# Altium PCB VESC_6.4.1.PcbDoc
Units mil, origin at the board's own origin, x right, y up, seen from the top; angles counter-clockwise.
Board outline 3937.01 x 3937.01 mil, 4 copper layers (Top Layer, GND, power, Bottom Layer), stack 23.756 mil thick; 130 components, 94 nets, 539 pads, 111 vias.
Unrouted connection lines stored in the file: 385.
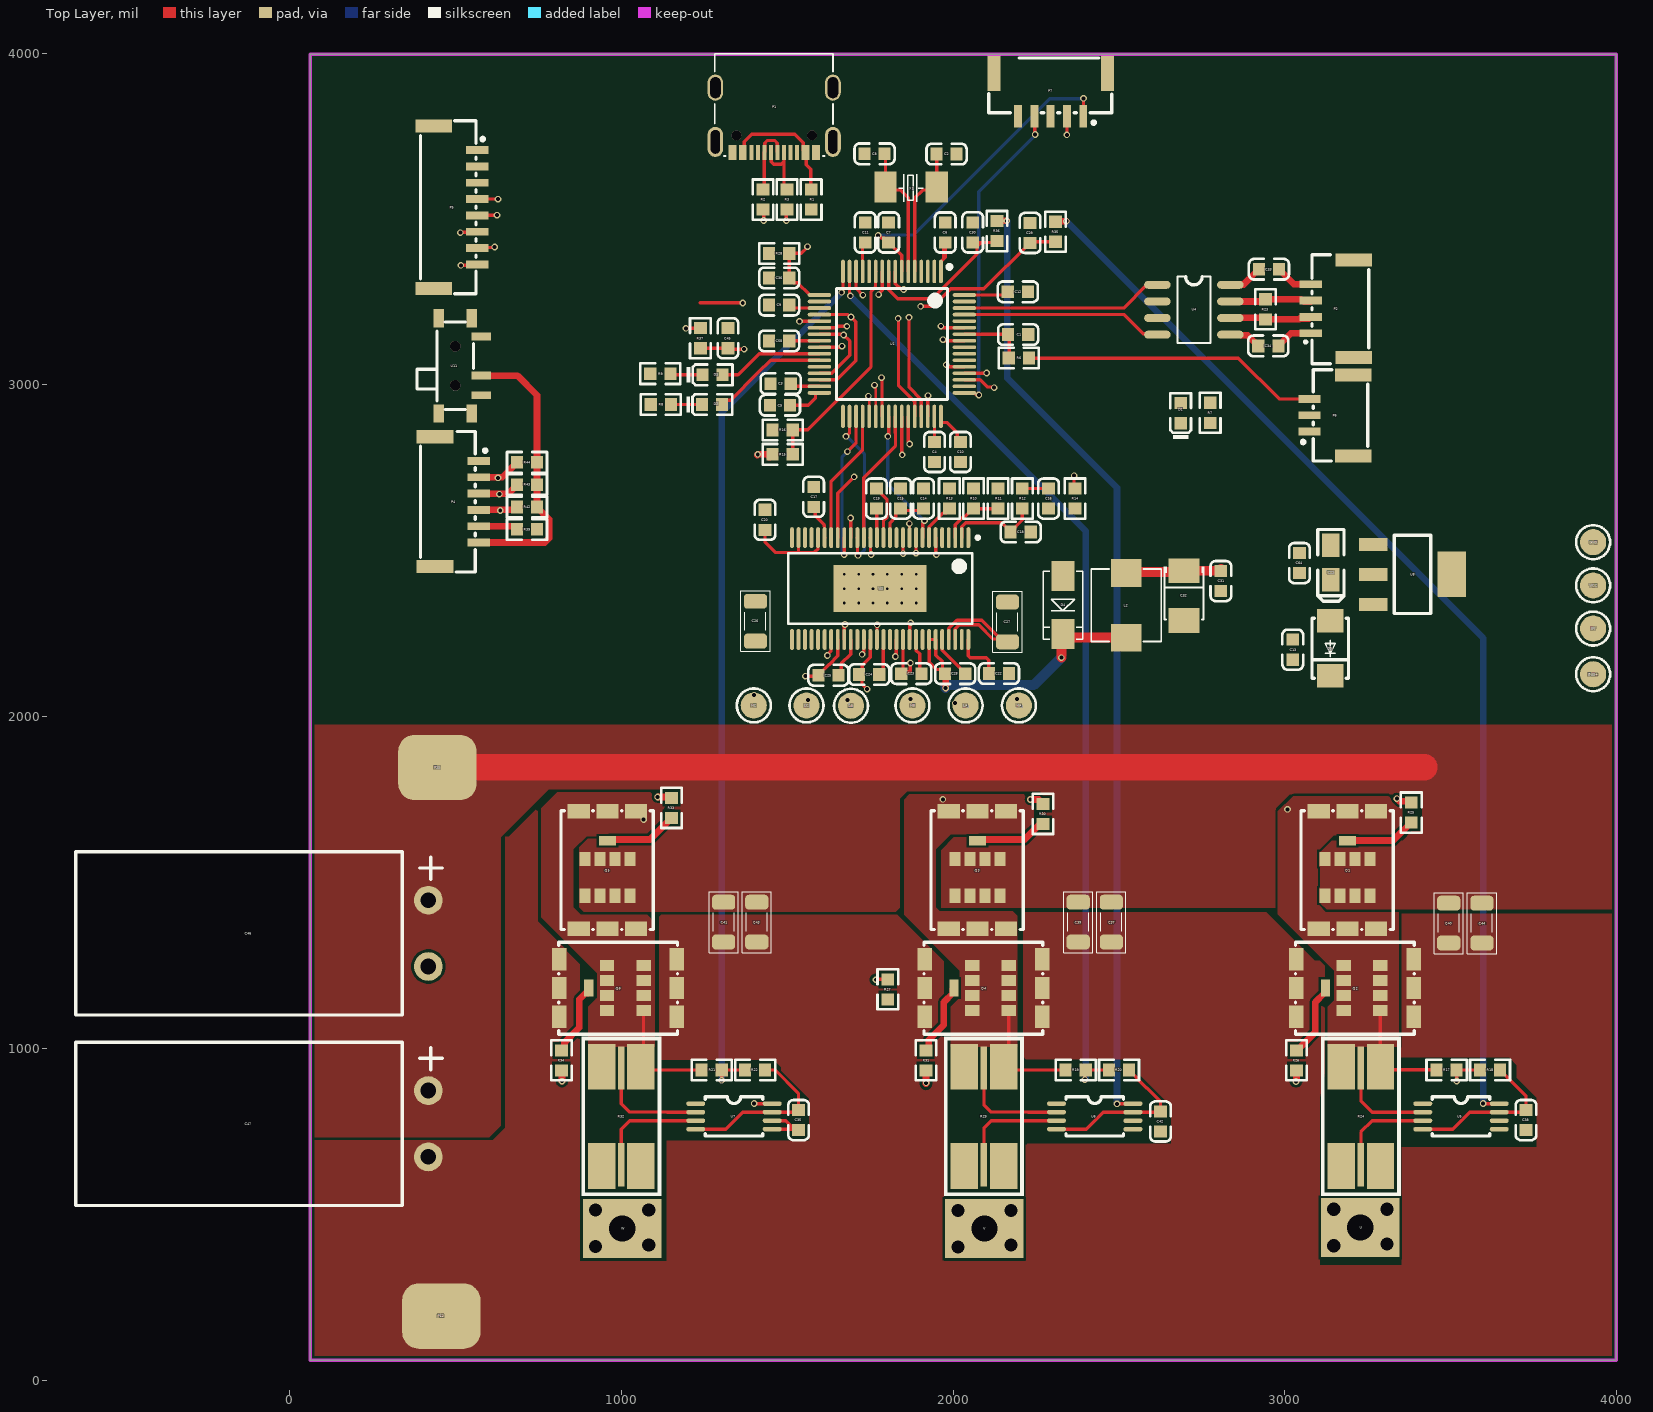
[diagram p0: Top Layer view]
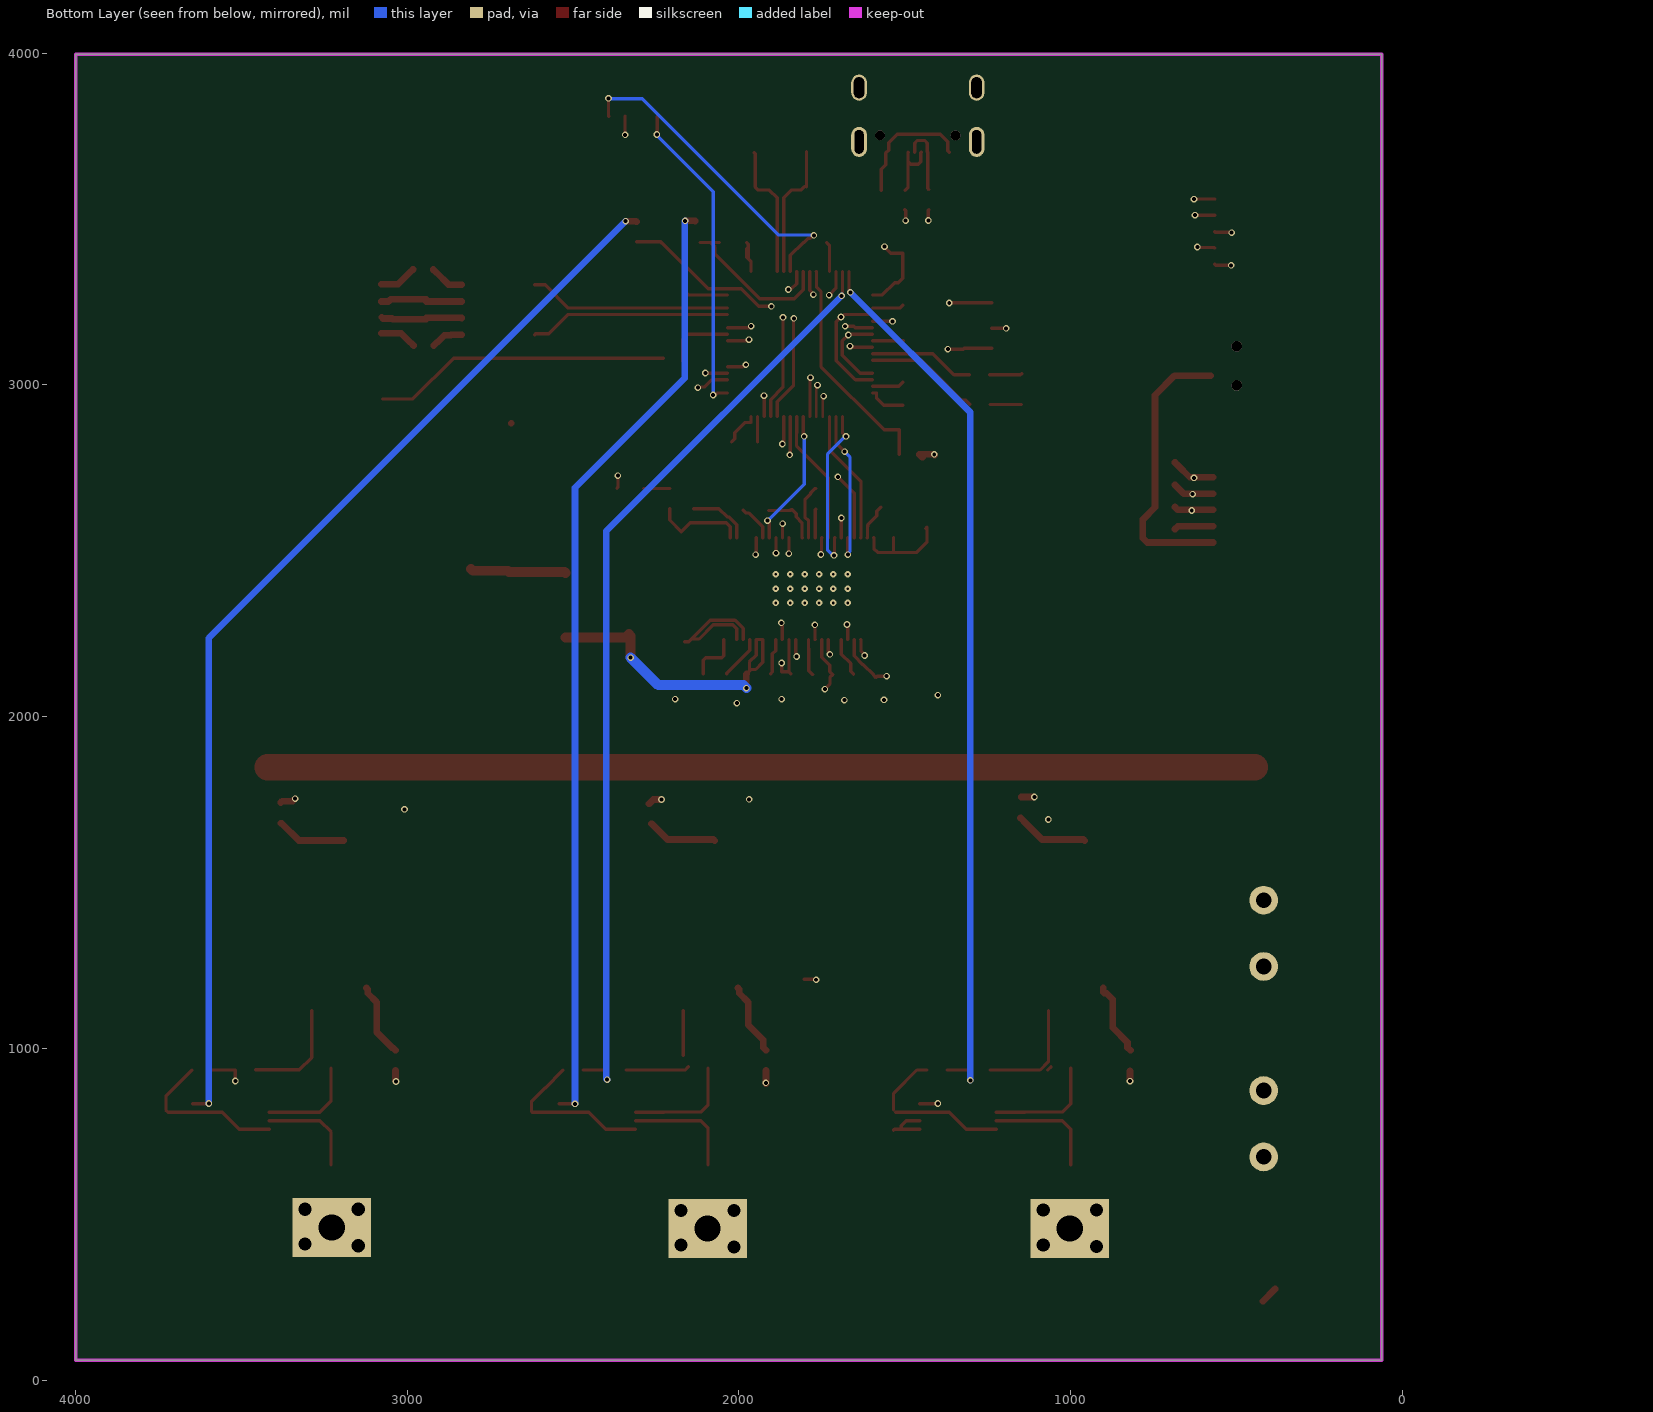
[diagram p1: Bottom Layer view, seen from below]
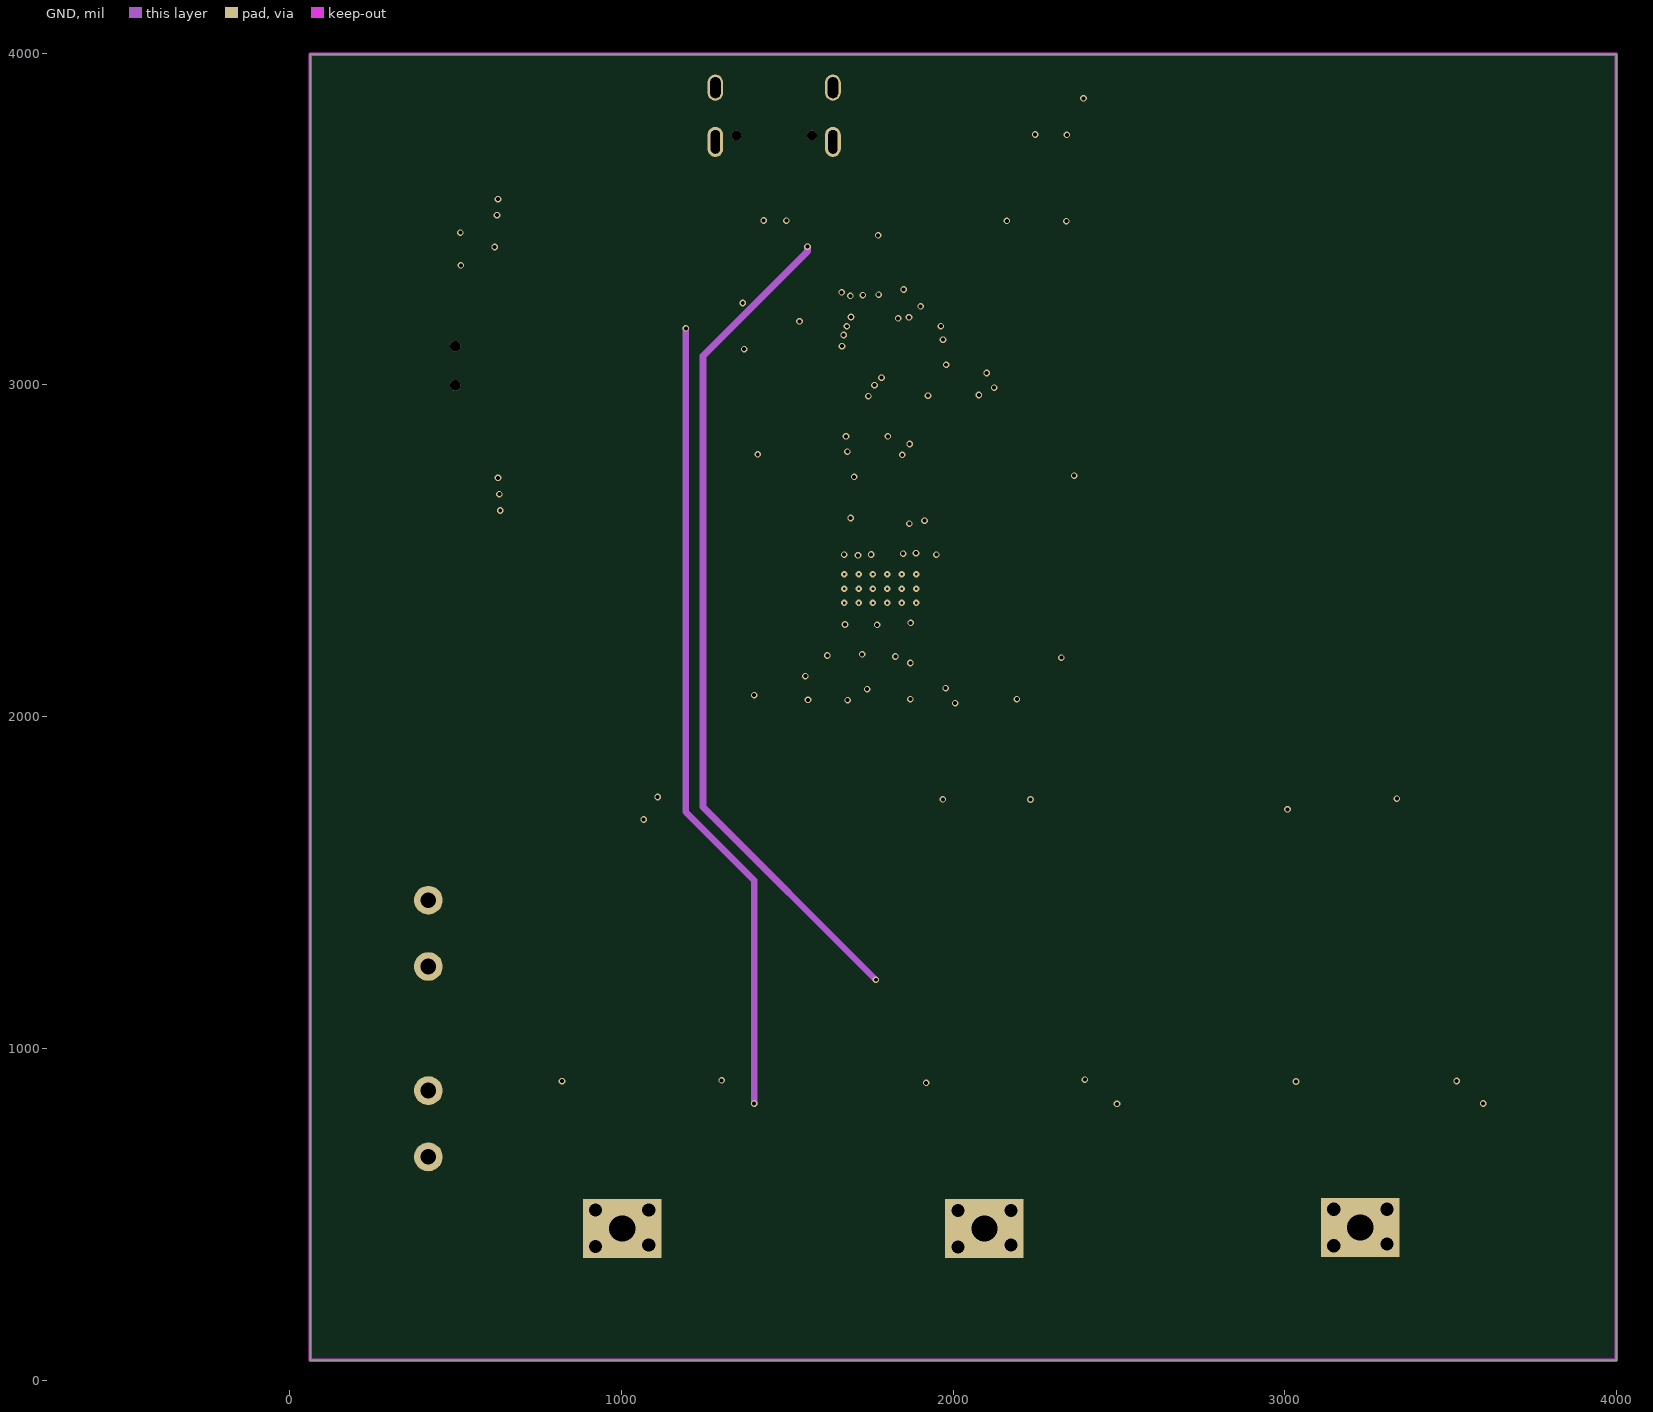
[diagram p2: GND]
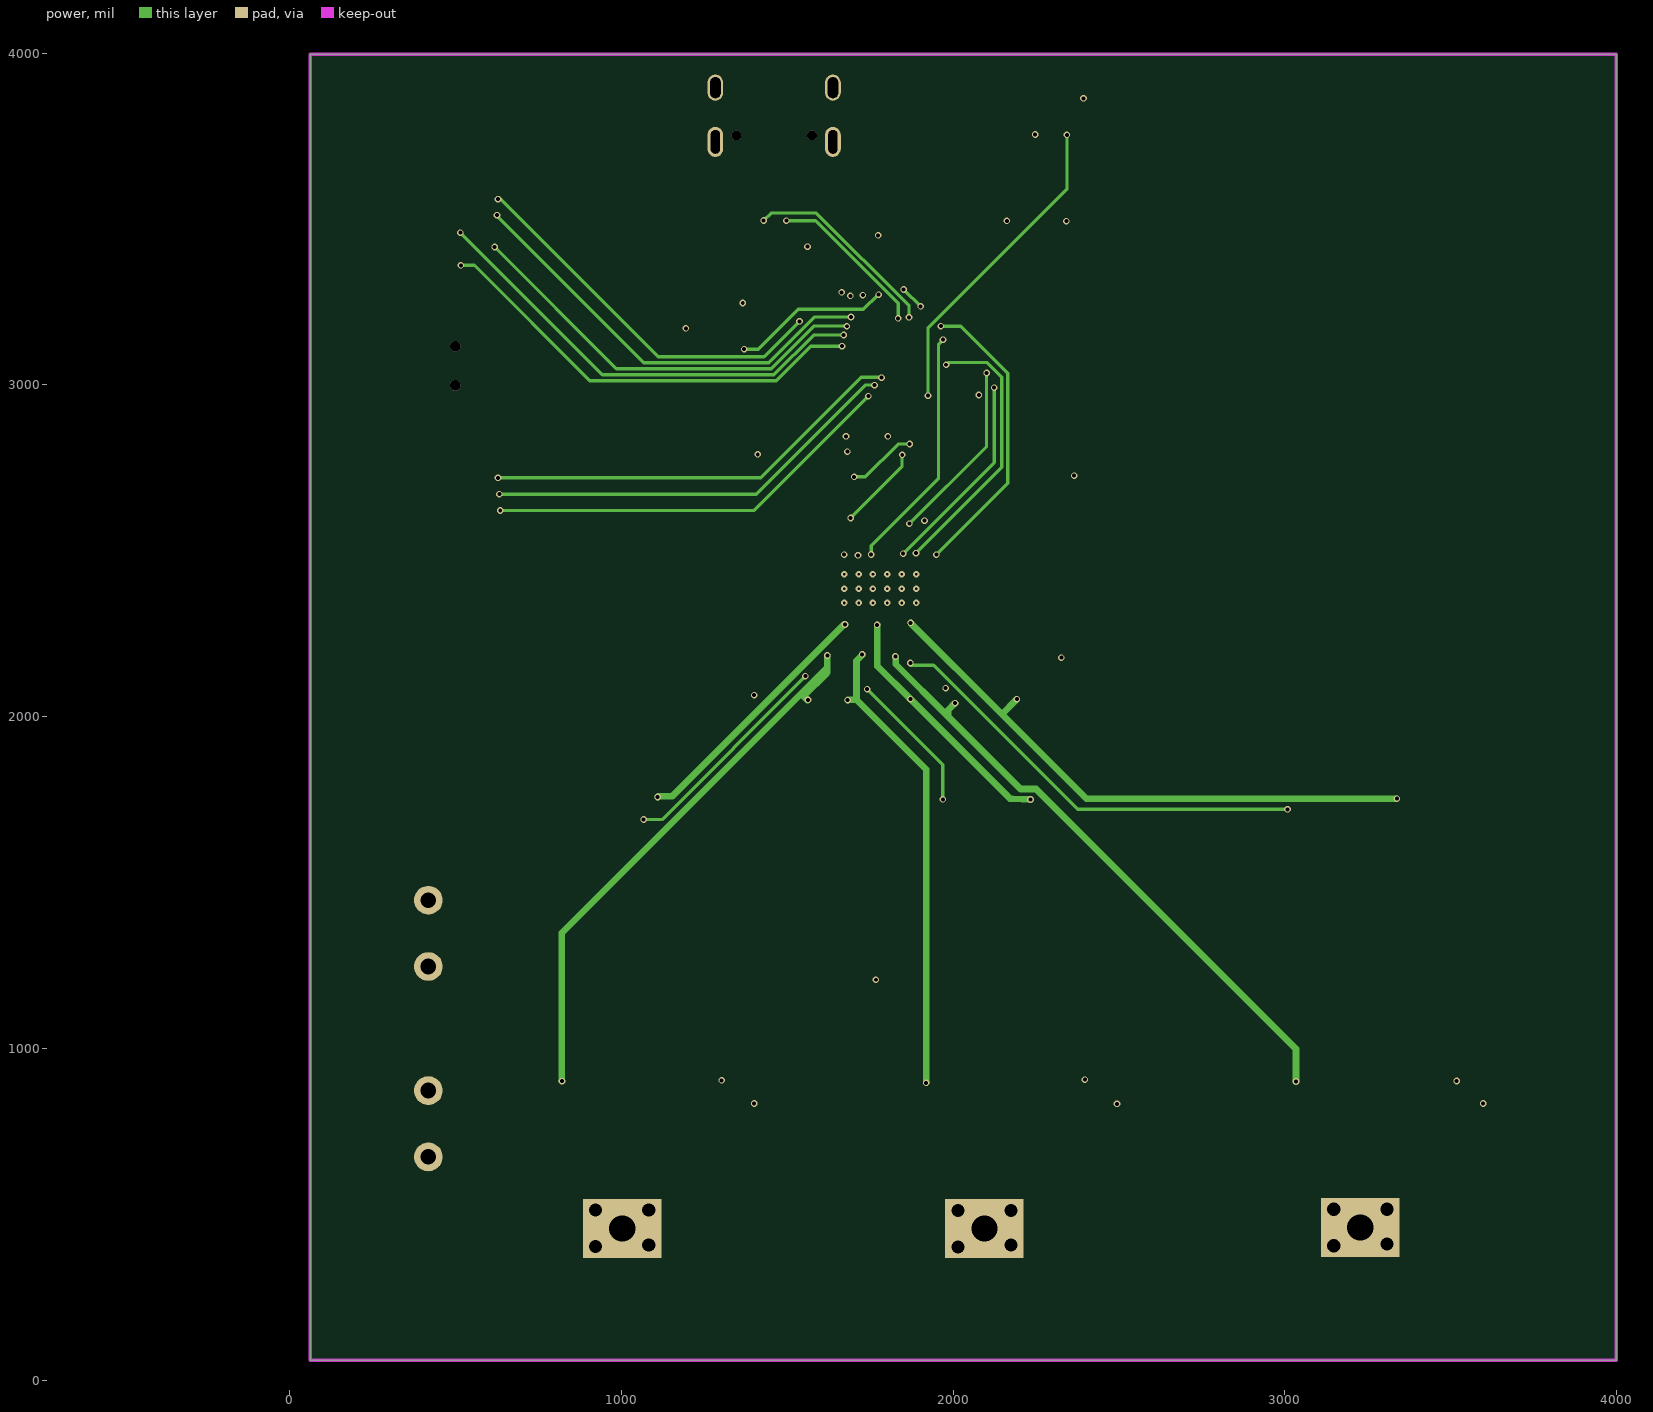
[diagram p3: power]
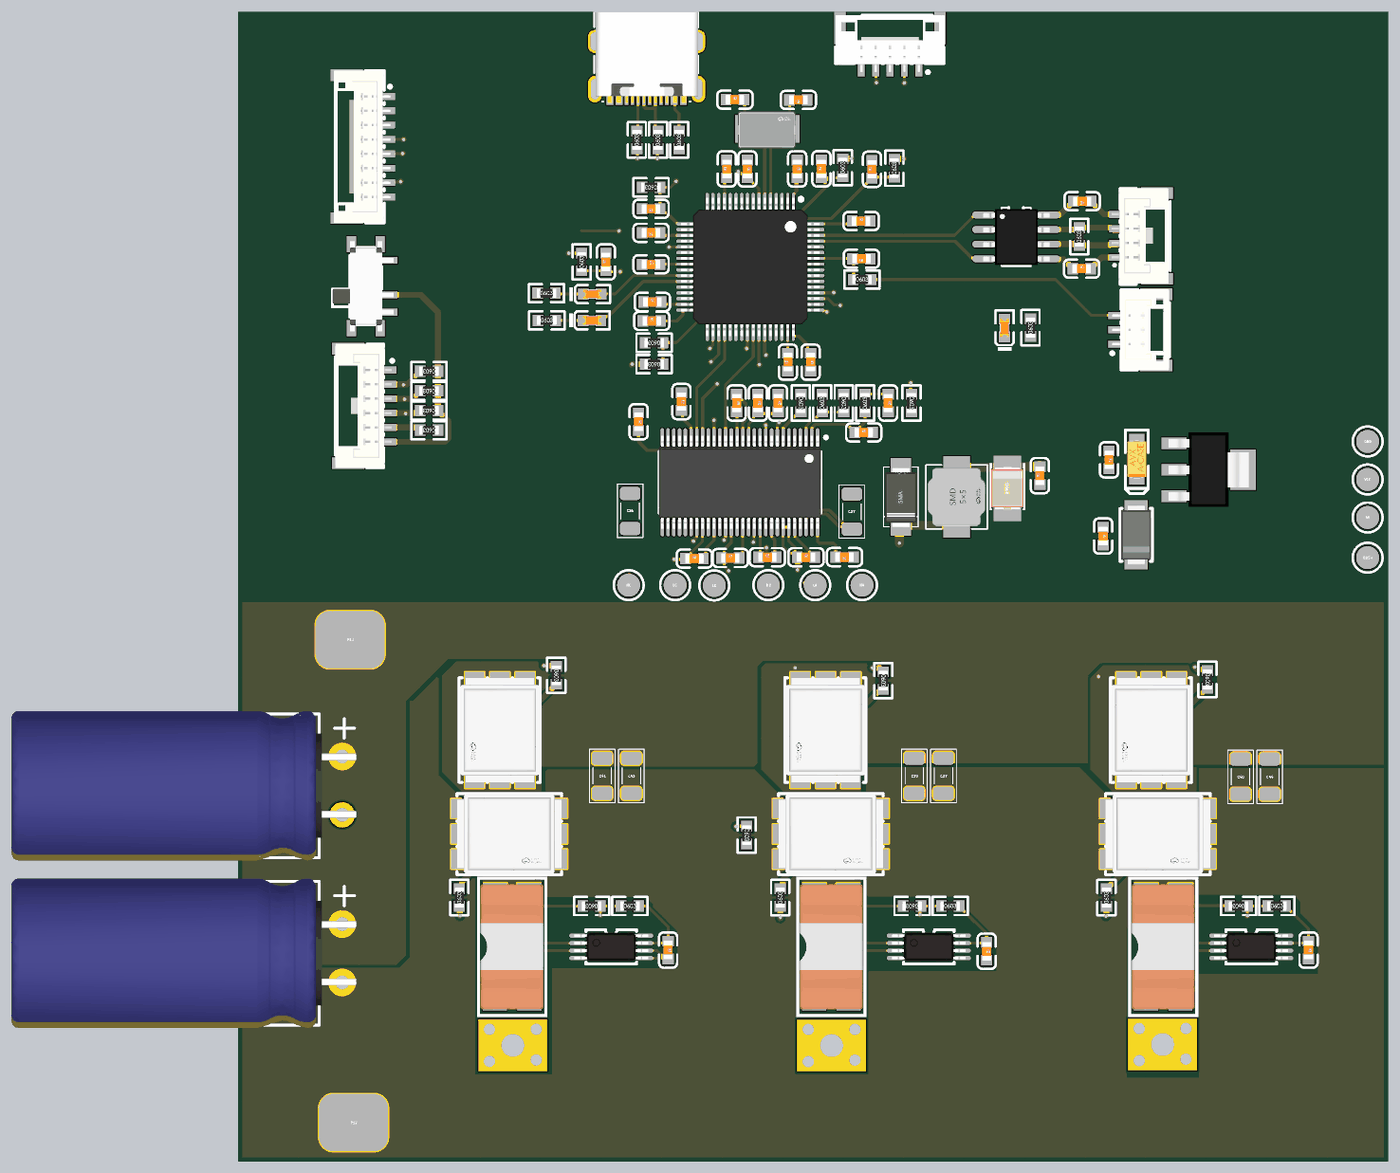
[diagram p4: 3D render of the assembled board from above, using the file's embedded part models]

## Layer stack, top to bottom
Top Solder: solder mask 0.4, Solder Resist, Dk 3.5
Top Layer: signal copper 1.4
Dielectric 2: prepreg 2.8, PP-006, Dk 4.1
GND: signal copper 1.378
Dielectric 1: dielectric 12.6, FR-4, Dk 4.8
power: signal copper 1.378
Dielectric 3: prepreg 2.8, PP-006, Dk 4.1
Bottom Layer: signal copper 1.4
Bottom Solder: solder mask 0.4, Solder Resist, Dk 3.5

## Board outline
62,60 62,3997.01 3999.01,3997.01 3999.01,60

## Design rules (kind name [scope] priority, off if disabled: settings)
Clearance [All] p1: gap=8 ignorepadtopadclearanceinfootprint=TRUE
DiffPairsRouting [All] p1: maxlimit=25 minlimit=6 mostfreqgap=16 toplayer_minwidth=6 toplayer_maxwidth=20 toplayer_prefwidth=8 midlayer1_minwidth=6 midlayer1_maxwidth=20 midlayer1_prefwidth=8 midlayer2_minwidth=6 midlayer2_maxwidth=20 midlayer2_prefwidth=8 bottomlayer_minwidth=6 bottomlayer_maxwidth=20 bottomlayer_prefwidth=8 maxuncoupledlength=500
PlaneConnect [All] p1: planeconnectstyle=Direct reliefexpansion=20 reliefentries=4 reliefconductorwidth=10 reliefairgap=10
PolygonConnect [All] p1: connectstyle=Direct reliefconductorwidth=10 reliefentries=4 polygonreliefangle="90 Angle" airgapwidth=10
RoutingVias [All] p1: holewidth=28 width=50 viastyle="Through Hole" minholewidth=28 minwidth=50 maxholewidth=28 maxwidth=50
SolderMaskExpansion [All] p1: expansion=4 istentingtop=FALSE
SupplyNets "Schematic Supply Nets_2" [InNet('VCC')] p1: voltage=0.000
SupplyNets "Schematic Supply Nets_1" [InNet('+5')] p2: voltage=0.000
SupplyNets "Schematic Supply Nets" [InNet('SL_A')] p3: voltage=0.000
UnRoutedNet [All] p1: checkbadconnections=TRUE
Width [All] p1: maxlimit=200 minlimit=8 preferedwidth=10
27 further rules are at their usual default settings.

## Components (designator, comment, footprint, x,y, rotation, side; value= is the part's Value field where it differs from the comment)
5V "TEST" TEST_2mm 3929.42,2265.66 r90 top
BUS+ "TEST" TEST_2mm 3929.42,2128.08 r180 top
C1 "100n" 0603_C 2196,3152 r180 top
C2 "22p" 0603_C 1980,3696 r180 top
C3 "2.2u" 0603_C 1480,3004 r0 top
C4 "2.2u" 0603_C 1944.11,2798 r90 top
C5 "2.2u" 0603_C 1478,2939 r0 top
C6 "2.2u" 0603_C 1976,3459.71 r270 top
C7 "100n" 0603_C 1805.58,3459.71 r270 top
C8 "22p" 0603_C 1763,3697 r0 top
C9 "2.2u" 0603_C 1475.58,3240.71 r180 top
C10 "2.2u" 0603_C 2022,2798 r270 top
C11 "2.2u" 0603_C 1734.91,3459.71 r90 top
C12 "2.2u" 0603_C 2195,3281 r0 top
C13 "2.2u" 0603_C 3023.8,2202.15 r270 top
C14 "2.2u" 0603_C 1910.58,2657.71 r270 top
C15 "2.2u" 0603_C 1841.58,2657.71 r270 top
C16 "6.8n" 0603_C 2287.58,2657.71 r270 top
C17 "2.2u" 0603_C 1579.58,2662.71 r270 top
C18 "120p" 0603_C 2203.73,2556.87 r0 top
C19 "22n" 0603_C 1768.58,2657.71 r270 top
C20 "2.2u" 0603_C 1432.98,2593.62 r270 top
C21 "100u" CASE-A_3216 3138.8,2464.73 r270 top
C22 "15n" 0603_C 2138,2130 r180 top
C23 "220n" 0603_C 1873.86,2129.71 r0 top
C24 "220n" 0603_C 1747,2127 r0 top
C25 "220n" 0603_C 1624,2125 r0 top
C26 "4.7u_100V" 1206_C 1404,2288 r270 top
C27 "4.7u_100V" 1206_C 2163.58,2285.71 r270 top
C28 "100n" 0603_C 2006.16,2129.71 r0 top
C29 "4.7n" 0603_C 2232,3458.31 r90 top
C30 "4.7n" 0603_C 2059,3460 r90 top
C31 "2.2u" 0603_C 2807,2409 r90 top
C32 "100uf-钽电容-3528" CAP-SMD_L3.5-W2.8-R-RD 2696,2365.22 r90 top
C33 "100n" 0603_C 2952,3349 r180 top value=104
C34 "100n" 0603_C 2950,3118 r0 top value=104
C35 "2.2u" 0603_C 1534,784 r270 top
C36 "2.2u" 0603_C 1475.58,3322.84 r180 top
C37 "4.7u_100V" 1206_C 2477,1380.84 r90 top
C38 "2.2u" 0603_C 3727,784 r270 top
C39 "4.7u_100V" 1206_C 2377,1380.84 r90 top
C40 "4.7u_100V" 1206_C 3494,1377.84 r90 top
C41 "4.7u_100V" 1206_C 1308.11,1380.84 r90 top
C42 "2.2u" 0603_C 2625,780 r270 top
C43 "4.7u_100V" 1206_C 1408.11,1380.84 r90 top
C44 "4.7u_100V" 1206_C 3594,1377.84 r90 top
C45 "4.7n" 0603_C 1321,3141 r90 top
C46 "680uF 63V" CAP-TH_BD12.5-P5.00-D1.2-FD 418,1347 r270 top
C47 "680uF 63V" CAP-TH_BD12.5-P5.00-D1.2-FD 418,773 r270 top
C58 "100n" 0603_C 1475.58,3133 r0 top
C64 "2.2u" 0603_C 3043.8,2463.15 r270 top
D1 "蓝灯" 0603_LED_S1 2686,2915 r90 top
D2 "红灯" 0603_LED_S1 1273.31,2941 r0 top
D3 "绿灯" 0603_LED_S1 1274.31,3030.71 r0 top
D4 "SS54" DIODE_3*5.3 2331,2334 r270 top
D5 "SMAJ5.0A_C353442" SMA_L4.4-W2.8-LS5.4-RD 3136.8,2206.15 r90 top
GND "TEST" TEST_2mm 3929.42,2526.14 r90 top
HA "TEST" TEST_2mm 2198.11,2034 r0 top
HB "TEST" TEST_2mm 1877.26,2034 r0 top
HC "TEST" TEST_2mm 1399,2034 r0 top
L2 "22u" IND-SMD_L5.0-W5.0 2522,2336 r270 top
LA "TEST" TEST_2mm 2037.68,2034 r0 top
LB "TEST" TEST_2mm 1692,2033 r0 top
LC "TEST" TEST_2mm 1558,2034 r0 top
P1 "TYPE-C 16P(073)" "USB-C-SMD_16P - duplicate2" 1460.43,3798.77 r0 top
P2 "CAN" CONN-SMD_4P-P1.25_GH1.25-4PLI 3143,3230 r90 top
P4 "HALL_ENC" CONN-SMD_6P-P1.25_WAFER-GH1.25-6PLB 504.06,2648.05 r270 top
P5 "COMM" CONN-SMD_8P-P1.25_WAFER-GH1.25-8PLB 499.65,3535.86 r270 top
P6 "SERVO" CONN-SMD_3P-P1.25_XUNPU_WAFER-GH1.25-3PLB 3140.17,2908.64 r90 top
P7 "SWD" CONN-SMD_5P-P1.25_XUNPU_WAFER-GH1.25-5PLB 2294,3876.02 r180 top
P11 "SUPPLY" "Power Pad 6x6mm" 445,1847 r270 top
P12 "GND" "Power Pad 6x6mm" 457,193 r270 top
Q1 "IRF7749" DIRECTFET_L9.1-W7.0_IRF7759L2TRPBF 3188.49,1537.45 r270 top
Q2 "IRF7749" DIRECTFET_L9.1-W7.0_IRF7759L2TRPBF 3211.23,1182.09 r0 top
Q3 "IRF7749" DIRECTFET_L9.1-W7.0_IRF7759L2TRPBF 2073.12,1537.45 r270 top
Q4 "IRF7749" DIRECTFET_L9.1-W7.0_IRF7759L2TRPBF 2091.12,1182.09 r0 top
Q5 "IRF7749" DIRECTFET_L9.1-W7.0_IRF7759L2TRPBF 957.75,1537.45 r270 top
Q6 "IRF7749" DIRECTFET_L9.1-W7.0_IRF7759L2TRPBF 990,1182.09 r0 top
R1 "0R" 0603_R 1572,3559 r90 top value=10K
R2 "22R" 0603_R 1427,3559 r90 top value=10K
R3 "22R" 0603_R 1499.5,3559 r90 top value=10K
R6 "100R" 0603_R 2198,3081 r0 top value=10K
R7 "1k" 0603_R 2775,2916 r90 top value=10K
R8 "220R" 0603_R 1118.63,2941 r0 top value=10K
R9 "220R" 0603_R 1117.32,3034.13 r0 top value=10K
R10 "3.3k" 0603_R 2061.58,2657.71 r90 top value=10K
R11 "18K" 0603_R 2135.58,2657.71 r270 top value=10K
R12 "15k" 0603_R 2208.58,2657.71 r90 top value=10K
R13 "10K" 0603_R 1988.58,2657.71 r270 top
R14 "220k" 0603_R 2367.58,2657.71 r270 top value=10K
R15 "39k" 0603_R 1486,2791 r180 top value=10K
R16 "2k2" 0603_R 1486,2864 r180 top value=10K
R17 "39k" 0603_R 3487.38,935 r180 top value=10K
R18 "2k2" 0603_R 3618.38,935 r0 top value=10K
R19 "39k" 0603_R 2369.38,935 r180 top value=10K
R20 "2k2" 0603_R 2500,935 r0 top value=10K
R21 "39k" 0603_R 1272,935 r180 top value=10K
R22 "2k2" 0603_R 1403,935 r0 top value=10K
R23 "Res1" 0603_R 2942,3228 r90 top value=220R
R24 "Res1" R3920 3229.28,795.18 r270 top value=0.0005R
R25 "Res1" 0603_R 3381,1711 r270 top value=4.7R
R26 "Res1" 0603_R 3035,964 r90 top value=4.7R
R27 "10k_ntc" 0603_R 1803,1178 r270 top value=10K
R28 "2.2k" 0603_R 1475.58,3396.71 r180 top value=10K
R29 "Res1" R3920 2092.89,795.18 r270 top value=0.0005R
R30 "Res1" 0603_R 2271,1707 r270 top value=4.7R
R31 "Res1" 0603_R 1918,964 r90 top value=4.7R
R32 "Res1" R3920 999.72,795.18 r270 top value=0.0005R
R33 "Res1" 0603_R 1151,1725 r270 top value=4.7R
R34 "Res1" 0603_R 819,964 r90 top value=4.7R
R35 "100R" 0603_R 2308.71,3462.01 r90 top value=10K
R36 "100R" 0603_R 2132,3464 r90 top value=10K
R37 "100R" 0603_R 1238,3141 r90 top value=10K
R39 "10k" 0603_R 715.33,2564.86 r180 top value=10K
R42 "2k2" 0603_R 715.33,2632.19 r180 top value=10K
R43 "2k2" 0603_R 715.33,2699.52 r180 top value=10K
R44 "2k2" 0603_R 715.33,2766.86 r180 top value=10K
U "HDR-PAD" MOTOR_PAD 3227.28,460.18 r90 top
U1 "STM32F405RGT6" LQFP-64_10x10x05P 1815.58,3123.71 r180 top
U3 "DRV8301" DRV8301 1779.99,2386.25 r270 top
U4 "TJA1050" TJA1050 2615.74,3301.87 r0 top
U5 "INA240A1PWR" TSSOP-8_L4.4-W3.0-P0.65-LS6.4-BL 3531,795 r270 top
U6 "INA240A1PWR" TSSOP-8_L4.4-W3.0-P0.65-LS6.4-BL 2426.78,795 r270 top
U7 "INA240A1PWR" TSSOP-8_L4.4-W3.0-P0.65-LS6.4-BL 1339.28,795 r270 top
U8 "TC2117-3.3VDBTR" SOT-223 3384.8,2429.15 r180 top
U11 "MSK-12C01-07" MSK-12C01-07 499,3057.8 r270 top
V "HDR-PAD" MOTOR_PAD 2094,457 r90 top
VCC "TEST" TEST_2mm 3929.42,2395.9 r90 top
W "HDR-PAD" MOTOR_PAD 1002.43,457.58 r90 top
X1 "8M" 晶振 1869,3599 r180 top
